# Allegro board 08_038702e.brd (continued)
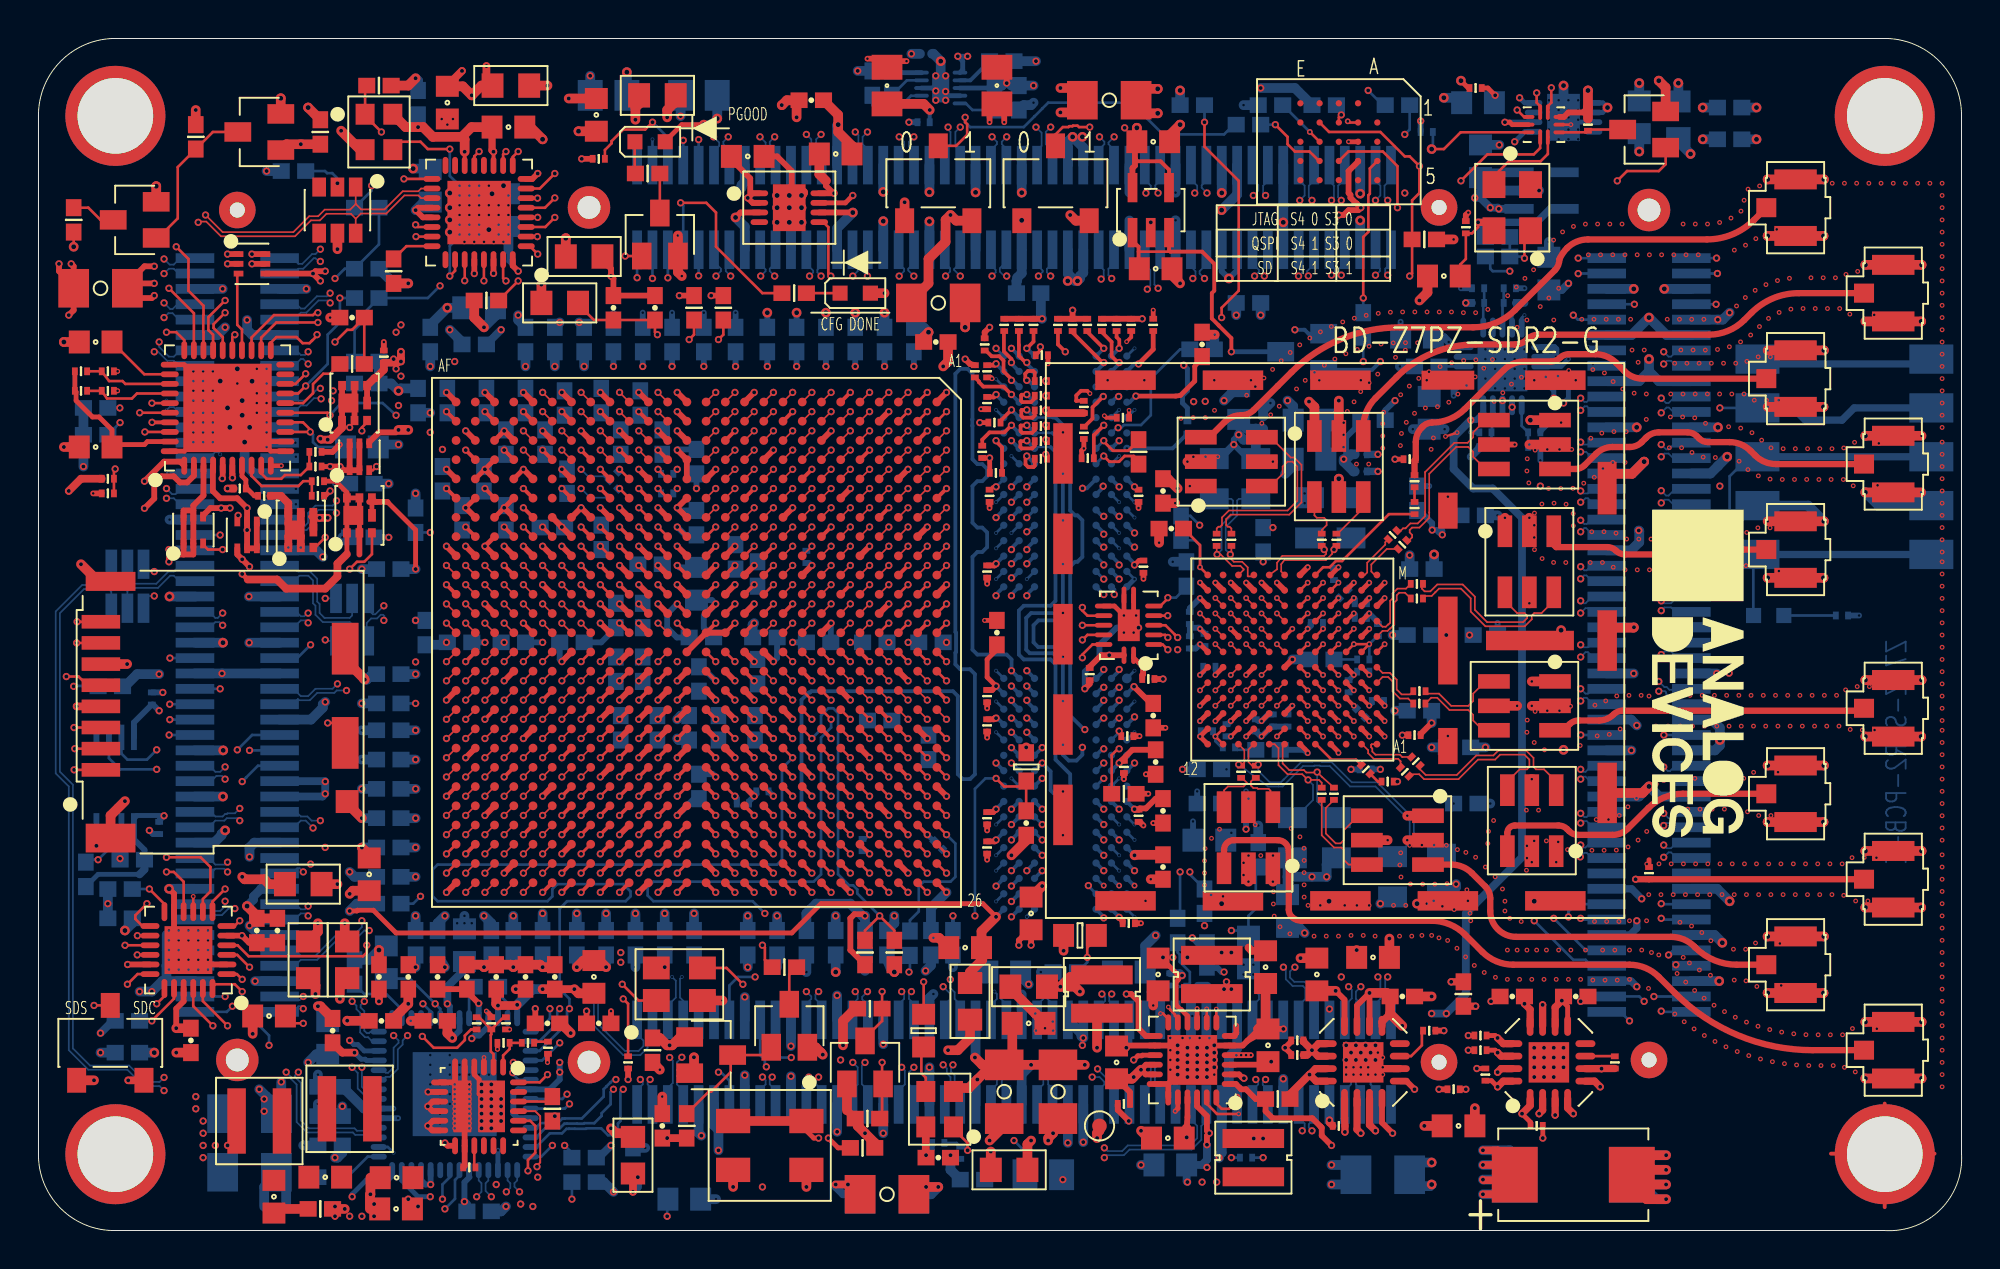
[diagram p0: board, top side]
## Routing (per net, layer and track width the routed paths; a pad name or vN(x,y) marks a point on that pad's centre or on a via; arc(x,y) is an arc through that point) (continued)
  L2_GND w0.14: 60.5,45.57 60.63,45.45 60.63,45.07
  L2_GND w0.203: 84,14.33 v2(83.87,14.46) 83.75,14.59 v2(83.36,14.59) v2(82.73,14.59) v2(81.97,14.59) v2(81.33,14.59) v2(80.44,14.59) v2(79.68,14.59) v2(79.05,14.59) v2(78.41,14.59) v2(77.9,14.59) v2(77.4,14.59) v2(76.89,14.59) v2(76.38,14.59)
  L2_GND w0.254: 77.65,57 v3(78.03,56.62) ; v3(78.03,57.89) 77.66,57.52 77.66,57.5
  BOTTOM w0.14: U3.E1 v4(49.79,36.28) ; U3.G8 v4(56.19,37.88) ; U3.M9 v4(56.99,42.68) ; U3.B3 v4(51.39,33.88) ; U3.E2 v4(50.59,36.28) ; U2.P1 v4(49.79,27.51) ; U2.G9 v4(56.99,21.11) ; U3.M1 v4(49.79,42.68) ; U3.J8 v4(56.19,40.28) ; U2.D8 v4(56.19,18.71) ; U2.J8 v4(56.19,23.51) ; U2.E1 v4(49.79,19.51) ; U3.P9 v4(56.99,44.28) ; U2.T1 v4(49.79,29.11) ; U2.J2 v4(50.59,23.51) ; U3.T9 v4(56.99,45.88) ; U2.M1 v4(49.79,25.91) ; U3.G9 v4(56.99,37.88) ; 56.59,28.71 v4(56.99,29.11) ; U2.G1 v4(49.79,21.11) ; U2.A9 v4(56.99,16.31) ; U3.T1 v1(49.79,45.88) ; U3.D1 v4(49.79,35.48) ; U2.F9 v4(56.99,20.31) ; U3.J2 v4(50.59,40.28) ; U2.B3 v1(52.19,17.91) ; U2.B9 v4(56.99,17.11) ; U3.E8 v4(56.19,36.28) ; U2.E8 v4(56.19,19.51) ; U2.B1 v4(49.79,17.11) ; U3.D8 v4(56.19,35.48) ; U2.E2 v1(50.59,19.51) ; U3.P1 v4(49.79,44.28) ; U3.B1 v4(49.79,33.88) ; U2.D1 v4(49.79,18.71) ; v4(56.99,33.88) U3.B9 ; U2.P9 v4(56.99,27.51) ; U3.G1 v4(49.79,37.88) ; U2.G8 v4(56.19,21.11) ; U3.F9 v4(56.99,37.08) ; U2.M9 v4(56.99,25.91)
  BOTTOM w0.254: C325.2 v6(69.2,26.49) ; v1(40.22,34.59) 40.09,34.72 R53.2 ; U3.A9 v4(56.99,33.88) ; U6.3 79.55,57.64 U6.PAD ; C1.2 69.97,27.32 v6(70,27.29) ; C322.2 68.57,29.06 v6(68.4,28.89) C4.2 ; v1(47.42,3.92) 47.61,3.73 R77.2 ; U6.6 76.26,57.64 v1(76.25,57.64) ; v6(68.4,33.69) 68.09,33.39 C333.2 ; C355.2 60.49,30.4 v6(60.4,30.49) ; U14.4 47.32,59.02 U14.PAD 46.84,59.42 46.69,59.27 v1(46.66,59.27) 46.63,59.27 46.48,59.42 U14.8 ; v6(61.2,28.89) 61.2,28.9 C330.2 ; R62.2 v4(74.47,41.51)
  BOTTOM w0.305: C150.2 27.1,29.7 v1(27.22,29.59) ; C363.2 v4(60.03,21.28) ; C243.1 5.96,20.62 v1(5.77,20.81) ; U24.9 75.63,45.44 ; 75.63,45.44 v4(75.74,45.32) U24.PAD ; 75.63,45.44 v4(75.24,45.83) ; v6(65.2,27.29) 64.95,27.05 C360.2 ; C249.2 41.2,31.57 v1(41.22,31.59) ; C154.2 33.25,40.62 v1(33.22,40.59) ; C72.2 v5(42.47,47.73) ; v1(57.2,31.35) 56.06,31.35 55.17,30.46 55.17,29.83 54.41,29.06 v1(54.41,28.18) ; C356.2 60.17,30.27 v6(60.4,30.49) ; v1(38.22,29.59) 38.41,29.78 C152.2 ; JX3.61 v4(7.42,35.37) ; C13.2 69.65,31.64 v6(69.2,32.09) 69.08,31.97 C329.2 ; C244.1 v1(6.47,27.98) ; C104.1 60.44,25.74 v6(60.4,25.69) ; C2.2 v4(75.87,31.6) ; C124.2 v4(70.83,47.26) ; R75.2 v4(94.67,31.99) ; C335.2 v1(64.19,36.56) ; v1(70.54,43.16) 70.03,42.65 C3.2 ; v6(66,31.29) 66.16,31.45 R111.1 ; C17.2 v4(34.6,47.73) ; v1(59.23,9.63) 59.23,9.78 59.13,9.89 JX2.71 ; C76.2 37.33,22.7 v1(37.22,22.59) 36.95,22.32 C77.2 ; C220.2 v4(15.42,38.84) ; R64.2 v4(77.27,49) ; C15.2 v5(37.9,47.73) ; C326.2 69.08,32.77 v6(69.2,32.89) ; R125.2 67.57,34.46 v6(67.6,34.49) ; C90.2 v4(32.95,47.73) ; v1(56.57,9.51) 56.73,9.67 JX2.65 ; C324.2 v4(72.32,38.72) ; v6(60.4,32.89) 59.87,32.37 C348.2 ; v6(62,26.49) 61.84,26.33 C321.2 ; C70.2 v4(29.9,47.73) ; C354.2 v1(59.49,23.98) ; C198.2 35.02,32.79 v1(35.22,32.59) 34.6,31.97 34.6,31.35 C149.2 ; C18.2 v4(31.42,47.73) ; v6(66,24.83) 65.98,24.83 65.81,25 C105.2 ; R68.2 78.09,41.57 v4(78.41,41.89) ; C357.2 v4(60.25,22.84) ; C93.2 v4(36.25,47.73) ; JX2.91 v1(67.13,11.52) ; U24.6 73.86,43.94 73.59,43.67 v4(73.59,43.42) ; C130.2 34.09,22.46 v1(33.22,21.59) ; JX2.77 v4(61.53,11.91) ; U21.4 v1(3.01,20.01) ; C19.1 v4(62.79,22.84) ; C319.2 63.95,26.84 v6(63.6,26.49) 63.46,26.49 C359.2 ; C98.2 v5(39.42,47.73) ; v1(35.22,27.59) 34.76,28.05 C148.2 ; C334.2 v1(69.78,23.98) ; v1(33.22,37.59) 33.36,37.45 C179.2 ; C84.2 v1(45.26,57.64) ; C27.2 v5(40.95,47.73) ; R5.2 v1(71.87,57.7) ; R66.2 v4(73.97,49) ; JX3.71 v4(6.78,39.37) ; v1(59.23,8.11) 59.13,8 JX2.72
  BOTTOM w0.381: JX4.90 82.75,15.37 83.11,15.73 v1(83.11,16.11) ; v1(83.11,12.68) 82.82,12.97 JX4.96 ; C14.1 v1(69.65,39.48) ; JX2.92 v1(67.13,5.74) ; v1(83.36,17.25) 82.85,17.77 JX4.84 ; C16.1 v1(69.65,40.37)
  BOTTOM w0.457: 11.58,17.77 11.18,17.37 11.18,17.21 v5(10.85,16.87)
  BOTTOM w0.508: JX3.89 9.3,46.57 v1(9.7,46.97) ; v1(64.95,43.16) 65.24,42.87 C22.2 ; C111.2 v4(16.82,24.49) ; JX2.51 v4(51.13,12.28) ; C131.2 v5(41.45,13.44) ; v4(46.53,12.3) 46.33,12.09 JX2.39 ; v5(9.7,20.81) 9.52,20.63 9.52,20.56 9.14,20.17 JX3.23 ; JX4.55 v1(87.27,28.97) ; R21.2 v4(52.12,13.44) ; C327.2 v5(72.57,35.16) ; JX4.66 v1(82.83,24.97) ; JX1.71 v4(59.13,53.98) ; C194.2 v4(48.57,13.44) ; v5(51.13,52.54) JX1.52 51.13,49.79 50.89,49.55 50.89,49.41 50.85,49.37 C101.2 ; U6.PAD v5(79.3,59.54) ; v5(83.49,39.99) 82.88,39.37 JX4.30 ; JX3.62 14.45,35.37 v1(14.78,35.03) ; JX4.6 v5(82.95,48.97) ; JX4.62 82.81,26.57 v1(83.11,26.27) ; JX1.40 v5(46.33,52.48) ; JX1.86 v5(64.73,52.43) JX1.85 ; v1(19.61,59.93) 19.74,59.8 C168.2 ; JX3.40 14.17,26.57 14.78,27.19 14.78,27.36 v1(14.91,27.49) ; v1(84.63,3.16) 83.11,3.16 ; 83.11,3.16 C44.N 83.36,2.39 ; 83.11,3.16 83.87,3.92 v1(84.63,3.92) ; JX2.15 v1(36.73,12.15) ; v5(17.71,14.59) 17.2,14.08 R50.2 ; C358.2 v5(89.33,56.75) ; JX3.17 v5(6.79,17.77) ; JX4.5 v5(84.54,48.97) ; v4(71.46,41.68) C158.2 v4(73.12,41.68) ; JX4.71 84.27,22.57 v5(83.75,23.1) 83.22,22.57 JX4.72 ; JX1.66 v4(56.73,52.53) ; C219.2 15.04,11.16 v1(14.53,11.67) ; C213.2 C207.2 18.34,44.05 v5(18.72,43.67) 18.85,43.8 C221.2 ; JX3.77 v5(9.95,41.77) ; C186.2 v1(24.69,13.7) ; v5(36.25,52.69) 36.73,52.21 JX1.16 ; JX4.24 v5(83.1,41.77) ; C185.2 v1(19.61,13.7) ; JX2.33 v1(43.93,9.69) ; C332.2 v4(75.49,22.21) ; C214.2 v4(14.53,8.11) ; v4(51.74,58.66) 51.61,58.53 51.23,58.53 C80.2 ; v1(23.17,13.7) 23.55,14.08 C153.2 ; v1(12.63,7.73) 12.63,6.46 12.37,6.2 C308.2 ; C254.2 29.39,2.52 v1(29.9,2.01) ; JX4.23 v5(87.33,41.77) ; C331.2 v4(75.87,37.19) ; v1(48.69,9) 48.73,9.03 JX2.45 ; C126.2 v1(27.99,13.7) ; C159.2 33.41,26.78 v1(33.22,26.59) ; 11.86,6.84 C308.2 ; 11.86,6.84 11.86,6.97 v1(11.48,7.35) ; 11.86,6.84 11.86,6.46 12.24,6.08 C308.2 ; C308.2 11.86,6.2 ; JX2.27 v1(41.53,12.23) ; C323.2 v1(72.44,26.4) ; JX3.6 v1(11.26,12.97) ; C169.2 v1(21.13,13.7) ; C31.2 v5(43.99,47.73) ; U14.PAD v5(46.92,60.81) 46.53,61.2 C43.1 ; 11.58,17.77 JX3.18 ; C135.2 v1(16.82,22.97) ; C252.2 v4(35.23,1.63) ; v4(11.74,1.25) 11.74,2.27 12.37,2.9 ; JX1.33 v5(43.93,54.02) ; C110.2 44.12,14.08 44.31,13.63 v5(44.5,13.44) ; JX1.39 v5(46.33,54) ; JX2.86 v1(64.73,7.89) ; C144.2 17.36,28.94 17.07,28.65 v1(16.97,28.65) ; v5(42.34,52.94) 41.53,52.12 JX1.28 ; v1(16.18,18.65) 16.44,18.4 C132.2 ; v4(61.14,46.49) R166.2 ; JX4.95 v5(87.39,12.97) ; JX4.29 86.94,39.37 87.33,39.76 87.33,39.76 v5(87.81,40.24) ; JX3.72 11.21,39.37 10.72,39.86 v5(10.72,41) ; C260.2 v1(75.96,56.46) ; JX2.34 v1(43.93,5.06) ; C167.2 v4(16.82,26.02) ; JX4.11 84.65,46.57 v5(83.75,47.48) 82.84,46.57 JX4.12 ; C223.2 20.37,47.1 v5(21.26,47.99) C182.2 ; C212.2 v4(31.55,4.3) ; 12.37,2.9 12.88,2.39 v4(12.88,1.25) ; 12.37,2.9 C309.2 ; P1.A2 92.02,37.7 v5(92.84,36.89) ; C82.2 v5(35.29,57.83) ; C199.2 73.97,58.66 73.71,58.91 v5(73.08,58.91) ; v5(46.28,46.72) 46.03,46.97 C71.2 ; v1(87.81,33.89) 87.81,34.99 87.43,35.37 JX4.39 ; v1(47.42,3.92) 47.42,3.16 C125.2 ; v5(36.25,53.83) 36.25,53.93 36.56,54.25 36.56,54.37 36.73,54.54 JX1.15 ; JX2.21 v1(39.13,9.59) ; C184.2 20.33,55.23 v5(19.48,55.23) ; v1(84.63,1.63) 84.12,1.63 83.36,2.39 ; R135.2 v1(16.82,27.41) ; JX3.90 11.12,46.57 10.85,46.84 v1(10.85,47.35) ; JX4.17 84.26,44.17 83.75,44.69 ; C174.2 v4(39.93,13.44) ; JX1.95 v5(68.73,53.92) ; 83.36,2.39 v1(84.63,2.39) ; v1(24.94,47.61) 24.94,47.35 C99.2 ; 83.75,44.69 83.23,44.17 JX4.18 ; 83.75,44.69 v5(83.75,45.32) ; JX3.35 v5(9.61,24.97) ; JX1.34 v5(43.93,52.49) ; v5(39.68,52.43) 39.38,52.43 39.13,52.18 JX1.22 ; JX3.83 9.44,44.17 v5(9.45,44.18) ; C127.2 v1(36.88,13.7) ; JX4.40 82.81,35.37 83.24,35.8 83.24,36.38 v1(83.21,36.41) ; JX3.29 v5(9.59,22.57) ; JX2.28 v1(41.53,5.13) ; JX4.61 87,26.57 87.43,26.14 v5(87.43,25.51) 87.43,25.23 87.17,24.97 JX4.65 ; C23.2 65.55,15.77 v1(65.84,15.48) ; v5(94.99,38.39) 95.68,37.7 P1.B2 ; JX4.83 87.29,17.77 v5(87.94,17.13) ; v1(10.97,15.86) 11.46,15.37 JX3.12 ; C133.2 v4(70.79,44.94) ; C136.2 v4(38.41,13.7) ; JX3.56 v1(10.94,32.97) ; R59.2 v4(58.98,34.78) ; v5(38.41,53.83) 38.87,53.83 39.13,54.08 JX1.21 ; v1(51.61,8.62) 51.13,8.13 JX2.52 ; JX1.77 v5(61.53,53.96) ; JX1.27 41.53,57.46 v5(41.58,57.51) ; v1(21.39,46.84) 22.02,46.21 C166.2 ; C40.2 v1(63.55,47.61) ; JX3.96 v1(13.93,48.97) ; JX4.49 v1(87.32,31.37) ; C57.2 v5(6.02,9.25) ; v1(19.23,49.26) R176.2 C215.2 ; JX3.49 v5(9.59,30.57) ; JX3.78 v5(10.98,41.77) ; v1(24.31,1.25) 24.06,1 C75.2 ; v4(22.15,16.36) v4(22.15,15.98) C210.2 ; C121.2 v4(31.04,13.7) ; v1(46.13,13.51) 46.41,13.79 C176.2 ; C12.2 v1(65.2,29.7) ; U2.T9 56.59,28.71 ; C21.2 65.24,39.77 v4(64.82,39.35) ; C147.2 v4(47.55,13.7) ; v4(64.06,43.03) 63.68,42.65 C20.1 ; C206.2 v4(14.53,6.59) ; v1(18.72,40.88) 17.96,40.88 17.77,40.85 C202.2 ; R116.2 v5(59.36,59.29) ; JX1.46 v4(48.73,52.47) ; v5(72.44,3.54) 71.68,3.54 71.3,3.16 C173.2 71.3,2.65 71.64,2.31 72.36,2.31 v5(72.44,2.39) ; C160.2 v1(16.82,21.44) ; U8.2 v1(78.03,54.08) ; R120.2 v4(62.66,58.53) ; C83.2 v5(30.6,60.24) ; C157.2 v1(26.21,13.7) ; C114.2 v1(28.12,47.23) ; C195.2 v4(55.04,13.44) ; C181.2 v5(23.59,53.92) ; C146.2 v1(16.82,19.92) ; JX1.51 v5(51.13,53.98) ; C69.2 v1(57.33,3.41) ; JX3.65 v4(6.82,36.97) ; JX2.16 v1(36.73,8.08) ; JX4.89 87.15,15.37 v5(87.56,14.97) ; JX4.56 v1(82.95,28.97) ; C328.2 v1(73.2,30.97) ; C128.2 v1(29.52,13.7) ; v5(4.5,15.6) 4.88,15.98 4.88,16.24 ; R22.2 v4(63.43,21.06) ; JX3.24 11.23,20.17 10.97,19.92 v1(10.97,19.43) ; C137.2 v4(34.09,13.7) ; C177.2 v4(42.98,13.51) ; C24.2 62.37,43.89 v1(61.65,43.16) ; C361.2 v5(89.33,58.4) ; JX2.40 v1(46.33,8.49) ; C74.2 v4(13.77,4.43) ; C129.2 v1(32.56,13.7) ; C336.2 v1(75.24,25.13) ; JX2.22 v1(39.13,8.02) ; C28.2 v1(27.1,47.23) ; JX2.46 48.73,7.76 v1(48.82,7.86) ; JX3.84 v5(11.11,44.17) ; JX1.72 v4(59.13,52.54) ; C134.2 v4(78.54,51.42) ; C175.2 21.13,30.46 C170.2 ; JX4.50 v1(82.96,31.37) ; R20.2 v4(60.76,12.68) ; JX3.55 v5(6.81,32.97) ; C222.2 v4(15.8,36.05) ; JX3.95 v1(9.58,48.97) ; C171.2 v1(16.82,34.4) ; C200.2 v5(83.24,56.12) ; JX3.50 v1(10.96,30.57) ; JX1.96 v5(68.73,52.53) ; JX1.65 v4(56.73,53.99) ; JX1.45 v5(48.73,53.99) ; 46.41,1.89 v1(46.79,2.27) v1(46.15,2.27) 45.9,2.27 C258.2 46.41,1.89
  vias: v1(11.74,6.84) v1(11.74,6.2) v1(14.91,19.92) v1(15.42,1.25) v1(15.42,0.74) v1(16.18,0.74) v1(16.82,0.74) v1(17.45,1.38) v1(17.45,0.74) v1(18.59,46.72) v1(18.85,47.1) v1(20.37,41.51) v1(21.01,40.62) v1(21.22,30.59) v1(21.64,45.19) v1(23.04,7.6) v1(23.04,7.22) v1(23.04,6.84) v1(23.04,6.46) v1(23.04,6.08) v1(23.04,5.7) v1(23.04,5.32) v1(23.55,7.6) v1(23.55,7.22) v1(23.55,6.84) v1(23.55,6.46) v1(23.55,6.08) v1(23.55,5.7) v1(23.55,5.32) v1(24.06,6.84) v1(24.06,6.46) v1(24.06,6.08) v1(24.06,5.7) v1(24.22,30.59) v1(26.85,5.95) v1(41.71,8.87) v1(44.22,30.59) v1(46.66,60.05) v1(46.66,58.78) v1(47.17,60.05) v1(47.17,59.24) v1(47.17,58.78) v1(47.22,30.59) v1(53.27,2.65) v1(57.84,52.43) v1(59.23,9.25) v1(59.23,8.87) v1(59.23,8.49) v1(59.74,9.51) v1(59.74,9.13) v1(59.74,8.74) v1(59.74,8.36) v1(59.74,7.98) v1(60.07,43.11) v1(60.25,9.51) v1(60.25,8.36) v1(60.25,7.98) v1(60.67,43.12) v1(60.76,9.51) v1(60.76,9.13) v1(60.76,8.74) v1(60.76,7.98) v1(61.14,9.63) v1(61.14,9.25) v1(61.14,8.87) v1(61.14,8.49) v1(67.74,13.19) v1(68,9.63) v1(68,8.87) v1(68.25,9.25) v1(68.51,9.63) v1(68.76,9.25) v1(69.01,9.63) v1(69.27,9.25) v1(69.52,9.63) v1(69.52,8.87) v1(75.53,11.92) v1(77.78,9.51) v1(77.78,9) v1(77.78,8.49) v1(77.78,7.98) v1(78.28,9.51) v1(78.28,9) v1(78.28,8.49) v1(78.28,7.98) v1(78.79,9.51) v1(78.79,9) v1(78.79,8.49) v1(78.79,7.98) v1(79.3,9.51) v1(79.3,9) v1(79.3,8.49) v1(80.19,11.92) v1(87.43,38.72) v1(87.91,28.99) v2(6.78,15.6) v2(6.78,15.09) v2(6.78,14.59) v2(6.78,14.08) v2(6.78,13.57) v2(7.29,15.6) v2(7.29,14.59) v2(7.29,14.08) v2(7.29,13.57) v2(7.8,15.6) v2(7.8,15.09) v2(7.8,14.08) v2(7.8,13.57) v2(8.05,44.69) v2(8.05,44.18) v2(8.05,43.67) v2(8.05,43.16) v2(8.05,42.53) v2(8.05,42.02) v2(8.05,41.51) v2(8.31,15.6) v2(8.31,15.09) v2(8.31,14.59) v2(8.31,13.57) v2(8.56,44.69) v2(8.56,43.67) v2(8.56,43.16) v2(8.56,42.53) v2(8.56,42.02) v2(8.56,41.51) v2(8.56,41) v2(8.82,15.6) v2(8.82,15.09) v2(8.82,14.59) v2(8.82,14.08) v2(8.82,13.57) v2(9.07,44.69) v2(9.07,43.67) v2(9.07,43.16) v2(9.07,42.53) v2(9.07,42.02) v2(9.07,41.51) v2(9.07,41) v2(10.34,44.05) v2(11.36,44.81) v2(11.36,43.54) v2(11.36,43.03) v2(11.36,42.53) v2(11.86,44.81) v2(11.86,44.05) v2(11.86,43.54) v2(11.86,43.03) v2(11.86,42.53) v2(11.86,42.02) v2(11.86,41.51) v2(21.9,54.34) v2(21.9,53.83) v2(21.9,53.32) v2(21.9,52.81) v2(21.9,52.31) v2(21.9,51.8) v2(22.15,51.42) v2(22.4,54.34) v2(22.4,53.83) v2(22.4,53.32) v2(22.4,52.81) v2(22.4,52.31) v2(22.4,51.8) v2(22.66,51.42) v2(22.91,54.34) v2(22.91,53.83) v2(22.91,53.32) v2(22.91,52.81) v2(22.91,52.31) v2(22.91,51.8) v2(23.17,51.42) v2(23.42,54.34) v2(23.42,53.32) v2(23.42,52.81) v2(23.67,51.42) v2(23.93,53.32) v2(23.93,52.81) v2(23.93,52.31) v2(23.93,51.8) v2(24.18,51.42) v2(24.44,53.83) v2(24.44,53.32) v2(24.44,52.81) v2(24.44,52.31) v2(24.44,51.8) v2(56.44,31.1) v2(56.95,31.1) v2(58.85,10.01) v2(58.85,9.38) v2(58.85,8.87) v2(58.85,8.36) v2(59.41,42.24) v2(59.49,10.01) v2(59.87,10.01) v2(60.04,42.27) v2(60.05,40.24) v2(60.38,10.01) v2(60.67,42.27) v2(60.66,19.86) v2(60.63,19.23) v2(60.63,18.6) v2(60.63,17.96) v2(60.69,40.24) v2(60.97,17.45) v2(60.89,10.01) v2(61,20.4) v2(61.15,42.65) v2(61.14,8.11) v2(61.32,40.24) v2(61.41,20.87) v2(61.59,17.38) v2(62.66,19.12) v2(62.66,18.49) v2(62.82,43.44) v2(62.92,19.5) v2(63.27,43.89) v2(63.27,21.1) v2(63.56,19.5) v2(63.61,41.98) v2(63.72,44.34) v2(64.07,42.42) v2(64.17,44.78) v2(64.19,19.5) v2(64.21,17.62) v2(64.21,16.98) v2(64.26,16.35) v2(64.52,42.87) v2(64.56,15.8) v2(64.62,45.23) v2(65.07,15.43) v2(65.09,45.66) v2(65.14,20.91) v2(65.42,43.77) v2(65.58,46.06) v2(65.59,20.47) v2(65.87,44.22) v2(65.8,19.88) v2(65.81,19.25) v2(65.81,18.61) v2(65.81,17.98) v2(65.81,17.34) v2(66.02,16.91) v2(66.11,46.42) v2(66.35,44.63) v2(66.33,15.31) v2(66.66,46.74) v2(66.65,16.91) v2(66.86,45) v2(66.96,15.31) v2(67.23,47.02) v2(67.41,45.32) v2(67.6,15.31) v2(67.82,47.25) v2(67.87,42.01) v2(67.87,41.38) v2(67.87,40.74) v2(67.92,16.91) v2(67.98,45.6) v2(68.06,42.6) v2(68,8.49) v2(68,8.11) v2(68.25,15.35) v2(68.42,47.45) v2(68.41,43.1) v2(68.38,8.49) v2(68.38,8.11) v2(68.54,39.86) v2(68.56,16.91) v2(68.58,45.82) v2(68.75,43.63) v2(68.76,8.49) v2(68.76,8.11) v2(68.89,15.35) v2(69.04,47.59) v2(69.17,39.86) v2(69.14,8.49) v2(69.14,8.11) v2(69.19,45.99) v2(69.19,44.09) v2(69.19,16.91) v2(69.5,15.31) v2(69.52,8.11) v2(69.67,47.7) v2(69.64,44.54) v2(69.65,9.25) v2(69.81,46.1) v2(69.95,42.56) v2(69.9,41.96) v2(69.9,41.32) v2(69.9,40.69) v2(69.9,9) v2(69.9,8.49) v2(69.9,8.11) v2(70.3,47.76) v2(70.45,46.16) v2(70.46,16.91) v2(70.56,45.41) v2(70.77,15.31) v2(70.83,43.47) v2(70.87,41.45) v2(70.82,40.82) v2(70.83,19.64) v2(70.79,19.01) v2(70.85,18.38) v2(70.93,47.77) v2(71.08,45.78) v2(71.08,46.17) v2(71.12,42.03) v2(71.1,16.91) v2(71.28,43.91) v2(71.3,20.03) v2(71.34,18.02) v2(71.41,15.31) v2(71.57,47.77) v2(71.55,42.5) v2(71.72,46.17) v2(71.77,44.32) v2(71.93,20.05) v2(71.97,18.02) v2(71.93,15.35) v2(72.12,42.78) v2(72.2,47.77) v2(72.19,17) v2(72.31,44.66) v2(72.42,40.63) v2(72.44,15.35) v2(72.53,41.22) v2(72.57,20.05) v2(72.61,18.02) v2(72.75,42.84) v2(72.84,47.77) v2(72.82,15.22) v2(72.88,44.93) v2(73,16.86) v2(73.2,20.03) v2(73.24,18.04) v2(73.27,15.09) v2(73.33,43.08) v2(73.47,47.77) v2(73.48,45.13) v2(73.61,16.69) v2(73.76,14.68) v2(73.81,43.5) v2(73.78,19.81) v2(74.09,47.73) v2(74.11,45.24) v2(74.26,43.95) v2(74.22,19.67) v2(74.27,17.72) v2(74.21,14.23) v2(74.44,16.5) v2(74.47,16.11) v2(74.66,13.79) v2(74.73,47.73) v2(74.74,45.28) v2(74.71,44.4) v2(74.73,19.41) v2(75.15,44.85) v2(75.24,18.9) v2(75.18,13.42) v2(75.36,47.9) v2(75.36,20.13) v2(75.4,20.76) v2(75.6,45.29) v2(75.66,21.32) v2(75.69,43.12) v2(75.74,18.4) v2(75.76,13.17) v2(76.14,43.57) v2(76.13,17.76) v2(76.25,17.13) v2(76.25,16.62) v2(76.4,48.62) v2(76.38,13.06) v2(76.51,16.24) v2(76.59,44.02) v2(76.84,49.07) v2(76.89,46.97) v2(77.01,13.06) v2(77.11,44.38) v2(77.1,16.07) v2(77.29,49.52) v2(77.37,21.86) v2(77.37,18.74) v2(77.4,47.35) v2(77.41,40.14) v2(77.4,39.5) v2(77.41,26.55) v2(77.4,25.91) v2(77.4,20.01) v2(77.4,19.37) v2(77.5,38.88) v2(77.65,13.06) v2(77.74,49.97) v2(77.77,20.26) v2(77.82,40.59) v2(77.79,37.31) v2(77.78,36.68) v2(77.78,36.04) v2(77.79,35.41) v2(77.82,27) v2(77.78,25.38) v2(78,21.86) v2(78.09,48.05) v2(78.18,37.78) v2(78.19,34.95) v2(78.31,25) v2(78.28,13.06) v2(78.38,44.39) v2(78.45,40.62) v2(78.45,27.03) v2(78.41,20.26) v2(78.54,48.5) v2(78.52,38.59) v2(78.78,51.51) v2(78.79,47.35) v2(78.81,37.83) v2(78.78,34.74) v2(78.92,13.06) v2(79.05,49) v2(79.01,44.44) v2(79.02,20.21) v2(79.17,42.02) v2(79.09,40.62) v2(79.16,38.59) v2(79.09,27.03) v2(79.25,51.93) v2(79.43,37.77) v2(79.42,34.74) v2(79.57,44.72) v2(79.51,19.81) v2(79.55,13.06) v2(79.67,27.26) v2(79.72,40.62) v2(79.82,52.22) v2(79.79,38.6) v2(79.8,37.29) v2(79.81,36.65) v2(80.16,25.22) v2(80.25,47.39) v2(80.19,13.06) v2(80.35,38.87) v2(80.44,52.34) v2(80.59,50.74) v2(80.72,41.2) v2(80.77,36.34) v2(80.69,34.74) v2(80.77,19.77) v2(80.82,44.77) v2(80.82,13.02) v2(80.88,47.39) v2(80.9,39.17) v2(80.93,27.32) v2(80.91,16.07) v2(81.07,52.34) v2(81.05,25.72) v2(81,21.37) v2(81.22,50.74) v2(81.29,41.47) v2(81.35,39.62) v2(81.32,34.74) v2(81.43,44.6) v2(81.4,36.34) v2(81.41,19.77) v2(81.46,13.02) v2(81.52,47.39) v2(81.49,27.54) v2(81.54,16.07) v2(81.64,21.37) v2(81.71,52.34) v2(81.68,25.8) v2(81.86,50.74) v2(81.86,39.95) v2(81.88,44.15) v2(81.92,41.55) v2(81.88,34.5) v2(82.03,36.27) v2(82.07,27.8) v2(82.04,19.78) v2(82.15,47.39) v2(82.09,13.02) v2(82.25,26.08) v2(82.2,21.59) v2(82.18,16.07) v2(82.34,52.34) v2(82.38,43.77) v2(82.49,50.74) v2(82.56,41.55) v2(82.5,39.95) v2(82.5,34.36) v2(82.58,35.96) v2(82.65,22.04) v2(82.65,19.95) v2(82.7,27.83) v2(82.73,16.11) v2(82.73,13.06) v2(82.79,47.39) v2(82.86,45.79) v2(82.97,43.55) v2(83.13,50.74) v2(83.13,34.36) v2(83.09,22.49) v2(83.18,45.15) v2(83.22,35.96) v2(83.18,20.31) v2(83.34,27.83) v2(83.5,45.79) v2(83.61,43.5) v2(83.6,42.18) v2(83.63,20.75) v2(83.63,19.06) v2(83.62,16.11) v2(83.76,50.74) v2(83.77,34.36) v2(83.75,27.79) v2(83.73,17.47) v2(83.72,12.59) v2(83.85,35.96) v2(84.07,21.2) v2(84.1,26.23) v2(84.12,23.22) v2(84.26,19.07) v2(84.25,14.33) v2(84.37,17.47) v2(84.4,50.74) v2(84.69,47.39) v2(84.73,26.23) v2(84.86,42.31) v2(84.8,40.71) v2(84.88,43.5) v2(84.9,19.07) v2(85.03,50.74) v2(85.04,34.36) v2(85,17.47) v2(85.08,45.1) v2(85.12,35.96) v2(85.13,21.87) v2(85.08,11.26) v2(85.24,27.83) v2(85.2,13.37) v2(85.33,47.39) v2(85.37,26.23) v2(85.35,23.51) v2(85.35,16.03) v2(85.4,45.79) v2(85.44,40.71) v2(85.52,52.34) v2(85.51,43.5) v2(85.49,42.31) v2(85.53,19.07) v2(85.52,14.21) v2(85.67,50.74) v2(85.67,34.36) v2(85.64,17.47) v2(85.65,12.92) v2(85.58,10.86) v2(85.71,45.1) v2(85.76,35.96) v2(85.76,21.91) v2(85.85,13.92) v2(85.96,47.39) v2(85.88,27.83) v2(85.96,15.84) v2(86.04,45.79) v2(85.98,40.46) v2(86,26.23) v2(86.15,52.34) v2(86.15,43.5) v2(86.12,42.26) v2(86.13,23.51) v2(86.17,19.07) v2(86.12,12.49) v2(86.09,10.49) v2(86.27,17.47) v2(86.3,50.74) v2(86.35,45.1) v2(86.31,34.36) v2(86.37,13.55) v2(86.39,35.96) v2(86.39,21.91) v2(86.56,40.22) v2(86.51,27.83) v2(86.49,15.5) v2(86.6,47.39) v2(86.67,45.79) v2(86.64,26.23) v2(86.61,12.08) v2(86.62,10.14) v2(86.68,41.98) v2(86.76,23.51) v2(86.79,52.34) v2(86.78,43.5) v2(86.8,19.07) v2(86.94,34.36) v2(86.91,17.47) v2(86.96,15.07) v2(86.94,13.28) v2(86.98,45.1) v2(87.03,35.96) v2(87.03,21.91) v2(87.15,27.83) v2(87.13,11.72) v2(87.19,40.2) v2(87.27,26.23) v2(87.18,9.83) v2(87.31,45.82) v2(87.42,52.43) v2(87.42,43.5) v2(87.4,23.51) v2(87.44,19.07) v2(87.54,17.47) v2(87.62,45.1) v2(87.66,35.96) v2(87.58,34.36) v2(87.66,21.91) v2(87.67,11.39) v2(87.75,9.55) v2(87.78,27.83) v2(87.92,45.96) v2(87.88,41.8) v2(87.91,26.23) v2(88.01,52.65) v2(88.05,43.5) v2(88.03,23.51) v2(88.07,19.07) v2(88.13,14.63) v2(88.18,50.99) v2(88.25,45.1) v2(88.25,36.14) v2(88.21,34.37) v2(88.18,17.47) v2(88.18,13.03) v2(88.23,11.09) v2(88.3,48.08) v2(88.3,21.91) v2(88.33,9.31) v2(88.43,40.01) v2(88.42,27.83) v2(88.53,53.01) v2(88.51,46.22) v2(88.51,41.73) v2(88.54,26.23) v2(88.67,23.51) v2(88.69,53.58) v2(88.76,51.24) v2(88.75,48.52) v2(88.69,43.5) v2(88.71,19.07) v2(88.77,14.63) v2(88.84,45.21) v2(88.83,36.3) v2(88.79,34.58) v2(88.87,21.78) v2(88.81,17.47) v2(88.79,12.99) v2(88.81,10.84) v2(88.89,54.16) v2(88.89,39.57) v2(88.93,9.1) v2(89.03,46.57) v2(89.05,27.83) v2(89.1,41.49) v2(89.26,48.9) v2(89.22,43.18) v2(89.18,26.23) v2(89.18,23.83) v2(89.3,51.58) v2(89.33,19.07) v2(89.28,14.95) v2(89.35,12.69) v2(89.42,45.43) v2(89.43,39.25) v2(89.41,36.54) v2(89.45,21.58) v2(89.45,17.47) v2(89.41,10.62) v2(89.5,54.32) v2(89.49,47.01) v2(89.54,8.92) v2(89.6,41.1) v2(89.69,27.83) v2(89.83,49.19) v2(89.85,43.17) v2(89.81,26.23) v2(89.96,47.44) v2(89.97,19.07) v2(90.05,45.43) v2(90.04,39.08) v2(90.04,36.54) v2(90.02,10.45) v2(90.09,40.71) v2(90.08,21.58) v2(90.08,17.47) v2(90.16,8.78) v2(90.32,27.83) v2(90.39,52.06) v2(90.42,49.4) v2(90.45,26.23) v2(90.45,23.84) v2(90.51,47.75) v2(90.49,43.19) v2(90.5,34.3) v2(90.55,14.93) v2(90.67,39.06) v2(90.6,19.07) v2(90.62,12.75) v2(90.64,10.32) v2(90.72,40.66) v2(90.72,17.47) v2(90.79,8.68) v2(90.96,27.83) v2(91.05,49.52) v2(91.12,47.92) v2(91.08,26.23) v2(91.25,19.07) v2(91.27,10.23) v2(91.35,40.66) v2(91.31,39.06) v2(91.35,17.47) v2(91.42,8.61) v2(91.59,27.83) v2(91.75,47.95) v2(91.72,26.23) v2(91.94,39.06) v2(91.88,19.07) v2(91.91,10.19) v2(91.99,40.66) v2(91.99,17.47) v2(92.05,8.58) v2(92.17,49.55) v2(92.23,27.83) v2(92.35,26.23) v2(92.39,47.95) v2(92.52,19.07) v2(92.54,10.18) v2(92.62,40.66) v2(92.58,39.06) v2(92.62,17.47) v2(92.69,8.58) v2(92.8,49.55) v2(92.86,27.83) v2(93.02,47.95) v2(92.99,26.23) v2(93.15,19.07) v2(93.18,10.18) v2(93.27,54.46) v2(93.26,40.66) v2(93.21,39.06) v2(93.26,17.47) v2(93.32,8.58) v2(93.44,49.55) v2(93.5,27.83) v2(93.66,47.95) v2(93.62,26.23) v2(93.87,40.7) v2(93.85,39.06) v2(93.79,19.07) v2(93.87,17.43) v2(93.81,10.18) v2(93.91,54.46) v2(93.97,28.12) v2(93.91,8.49) v2(93.99,49.72) v2(94.19,47.66) v2(94.21,26.06) v2(94.36,38.73) v2(94.3,19.39) v2(94.32,10.5) v2(94.43,40.99) v2(94.47,8.25) v2(94.54,54.46) v2(94.57,28.29) v2(94.49,17.14) v2(94.59,49.88) v2(94.84,26.03) v2(94.94,19.4) v2(95.13,17.14) v2(95.18,54.46) v2(95.21,28.29) v2(95.45,47.62) v2(95.47,26.03) v2(95.57,19.39) v2(95.63,38.76) v2(95.59,10.49) v2(95.7,40.94) v2(95.81,54.46) v2(96.45,54.46) v2(97.08,54.46) v2(97.72,54.46) v2(98.35,54.46) v2(98.99,54.46) v2(98.99,53.83) v2(98.99,53.19) v2(98.99,52.56) v2(98.99,51.92) v2(98.99,51.29) v2(98.99,50.65) v2(98.99,50.02) v2(98.99,49.38) v2(98.99,48.75) v2(98.99,48.11) v2(98.99,47.48) v2(98.99,46.84) v2(98.99,46.21) v2(98.99,45.57) v2(98.99,44.94) v2(98.99,44.3) v2(98.99,43.67) v2(98.99,43.03) v2(98.99,42.4) v2(98.99,41.76) v2(98.99,41) v2(98.99,40.37) v2(98.99,39.73) v2(98.99,39.1) v2(98.99,38.46) v2(98.99,37.83) v2(98.99,37.19) v2(98.99,36.56) v2(98.99,35.92) v2(98.99,35.29) v2(98.99,34.78) v2(98.99,34.14) v2(98.99,33.51) v2(98.99,32.87) v2(98.99,32.24) v2(98.99,31.6) v2(98.99,30.97) v2(98.99,30.33) v2(98.99,29.7) v2(98.99,29.06) v2(98.99,28.43) v2(98.99,27.79) v2(98.99,27.16) v2(98.99,26.52) v2(98.99,26.02) v2(98.99,25.38) v2(98.99,24.75) v2(98.99,24.11) v2(98.99,23.48) v2(98.99,22.84) v2(98.99,22.21) v2(98.99,21.57) v2(98.99,20.94) v2(98.99,20.3) v2(98.99,19.54) v2(98.99,18.9) v2(98.99,18.27) v2(98.99,17.63) v2(98.99,17) v2(98.99,16.36) v2(98.99,15.73) v2(98.99,15.09) v2(98.99,14.46) v2(98.99,13.82) v2(98.99,13.19) v2(98.99,12.55) v2(98.99,11.92) v2(98.99,11.28) v2(98.99,10.65) v2(98.99,10.01) v2(98.99,9.38) v2(98.99,8.74) v2(98.99,8.11) v2(98.99,7.47) v3(41.71,4.43) v3(59.36,19.41) v3(61.52,17.89) v3(66.98,52.81) v4(20.37,9.13) v4(20.37,8.62) v4(20.37,8.11) v4(20.37,7.6) v4(20.88,7.6) v4(20.88,7.09) v4(20.88,6.59) v4(20.88,6.08) v4(20.88,5.57) v4(21.39,9.13) v4(21.39,8.62) v4(21.39,8.11) v4(21.39,7.6) v4(21.39,7.09) v4(21.39,6.59) v4(21.77,15.98) v4(21.77,15.48) v4(21.9,8.62) v4(21.9,8.11) v4(22.15,15.48) v4(22.4,8.11) v4(22.4,7.6) v4(22.53,15.98) v4(22.53,15.48) v4(22.66,8.49) v4(22.91,8.11) v4(23.42,8.11) v4(75.24,45.32) v4(75.24,44.81) v4(75.24,44.3) v4(75.24,43.8) v4(75.74,45.83) v4(75.74,44.81) v4(75.74,44.3) v4(75.74,43.8) v4(76.25,45.83) v4(76.25,45.32) v4(76.25,44.81) v4(76.25,44.3) v4(76.25,43.8) v4(76.76,45.83) v4(76.76,45.32) v4(76.76,44.81) v4(76.76,44.3) v4(76.76,43.8) v4(77.27,45.83) v4(77.27,45.32) v4(77.27,44.81) v4(77.27,44.3) v4(77.27,43.8) v4(78.54,58.78) v4(78.54,58.27) v4(78.54,57.77) v4(78.54,57.26) v4(78.54,56.75) v4(79.05,58.78) v4(79.05,58.27) v4(79.05,56.75) v4(79.55,58.78) v4(79.55,58.27) v4(79.55,57.89) v4(79.55,57.26) v4(79.55,56.75) v4(80.06,58.78) v4(80.06,58.27) v4(80.06,57.77) v4(80.06,57.26) v4(80.06,56.75) v5(9.83,42.78) v5(10.34,44.81) v5(10.59,43.16) v5(10.59,42.4) v5(21.39,53.96) v5(21.39,53.19) v5(21.39,52.56) v5(21.39,51.92) v5(23.42,52.05) v5(24.18,54.34) v5(38.41,53.19) v5(38.41,52.43) v5(39.04,53.83) v5(39.04,52.43) v5(39.68,53.19) v5(61.52,17) v5(67.11,17.13) v5(71.68,17) v5(77.78,17.13) v5(79.3,25)
